# Altium PCB bg_pcb.PcbDoc (part 1 of 2)
Units mil, origin at the board's own origin, x right, y up, seen from the top; angles counter-clockwise.
Board outline 3622.05 x 3405.51 mil, 2 copper layers (Top Layer, Bottom Layer); 204 components, 130 nets, 584 pads, 560 vias.
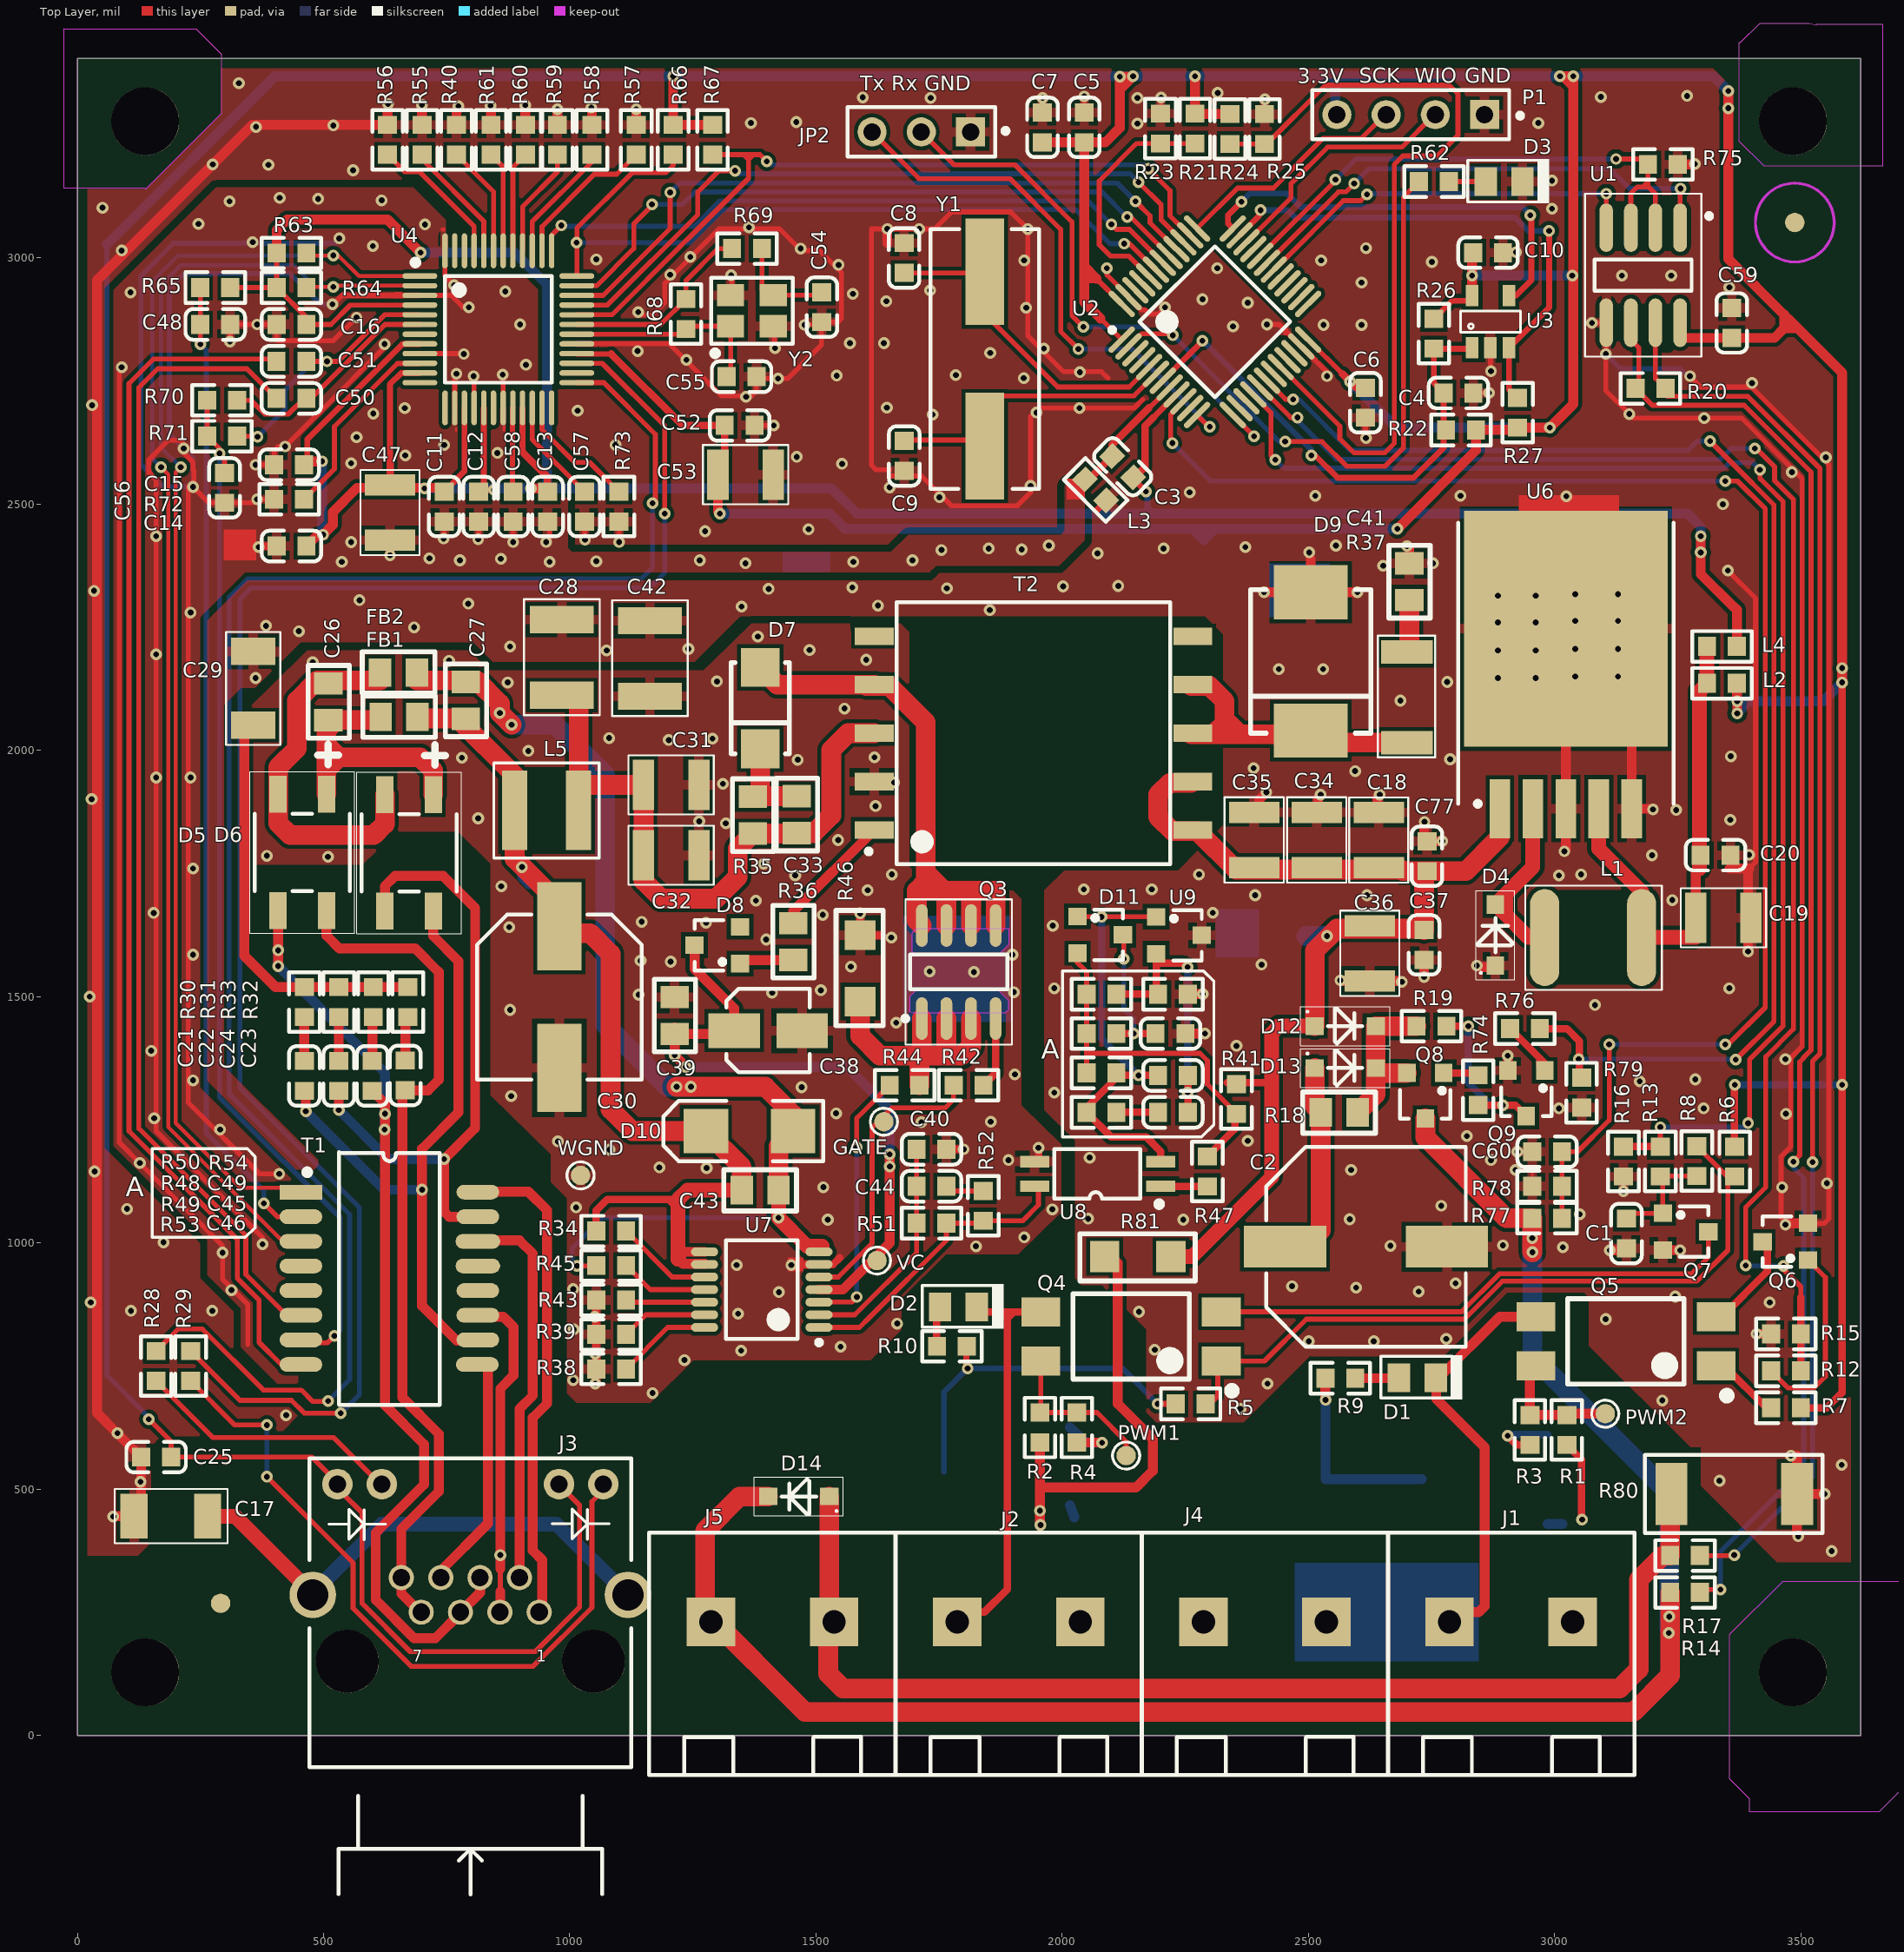
[diagram p0: Top Layer view]
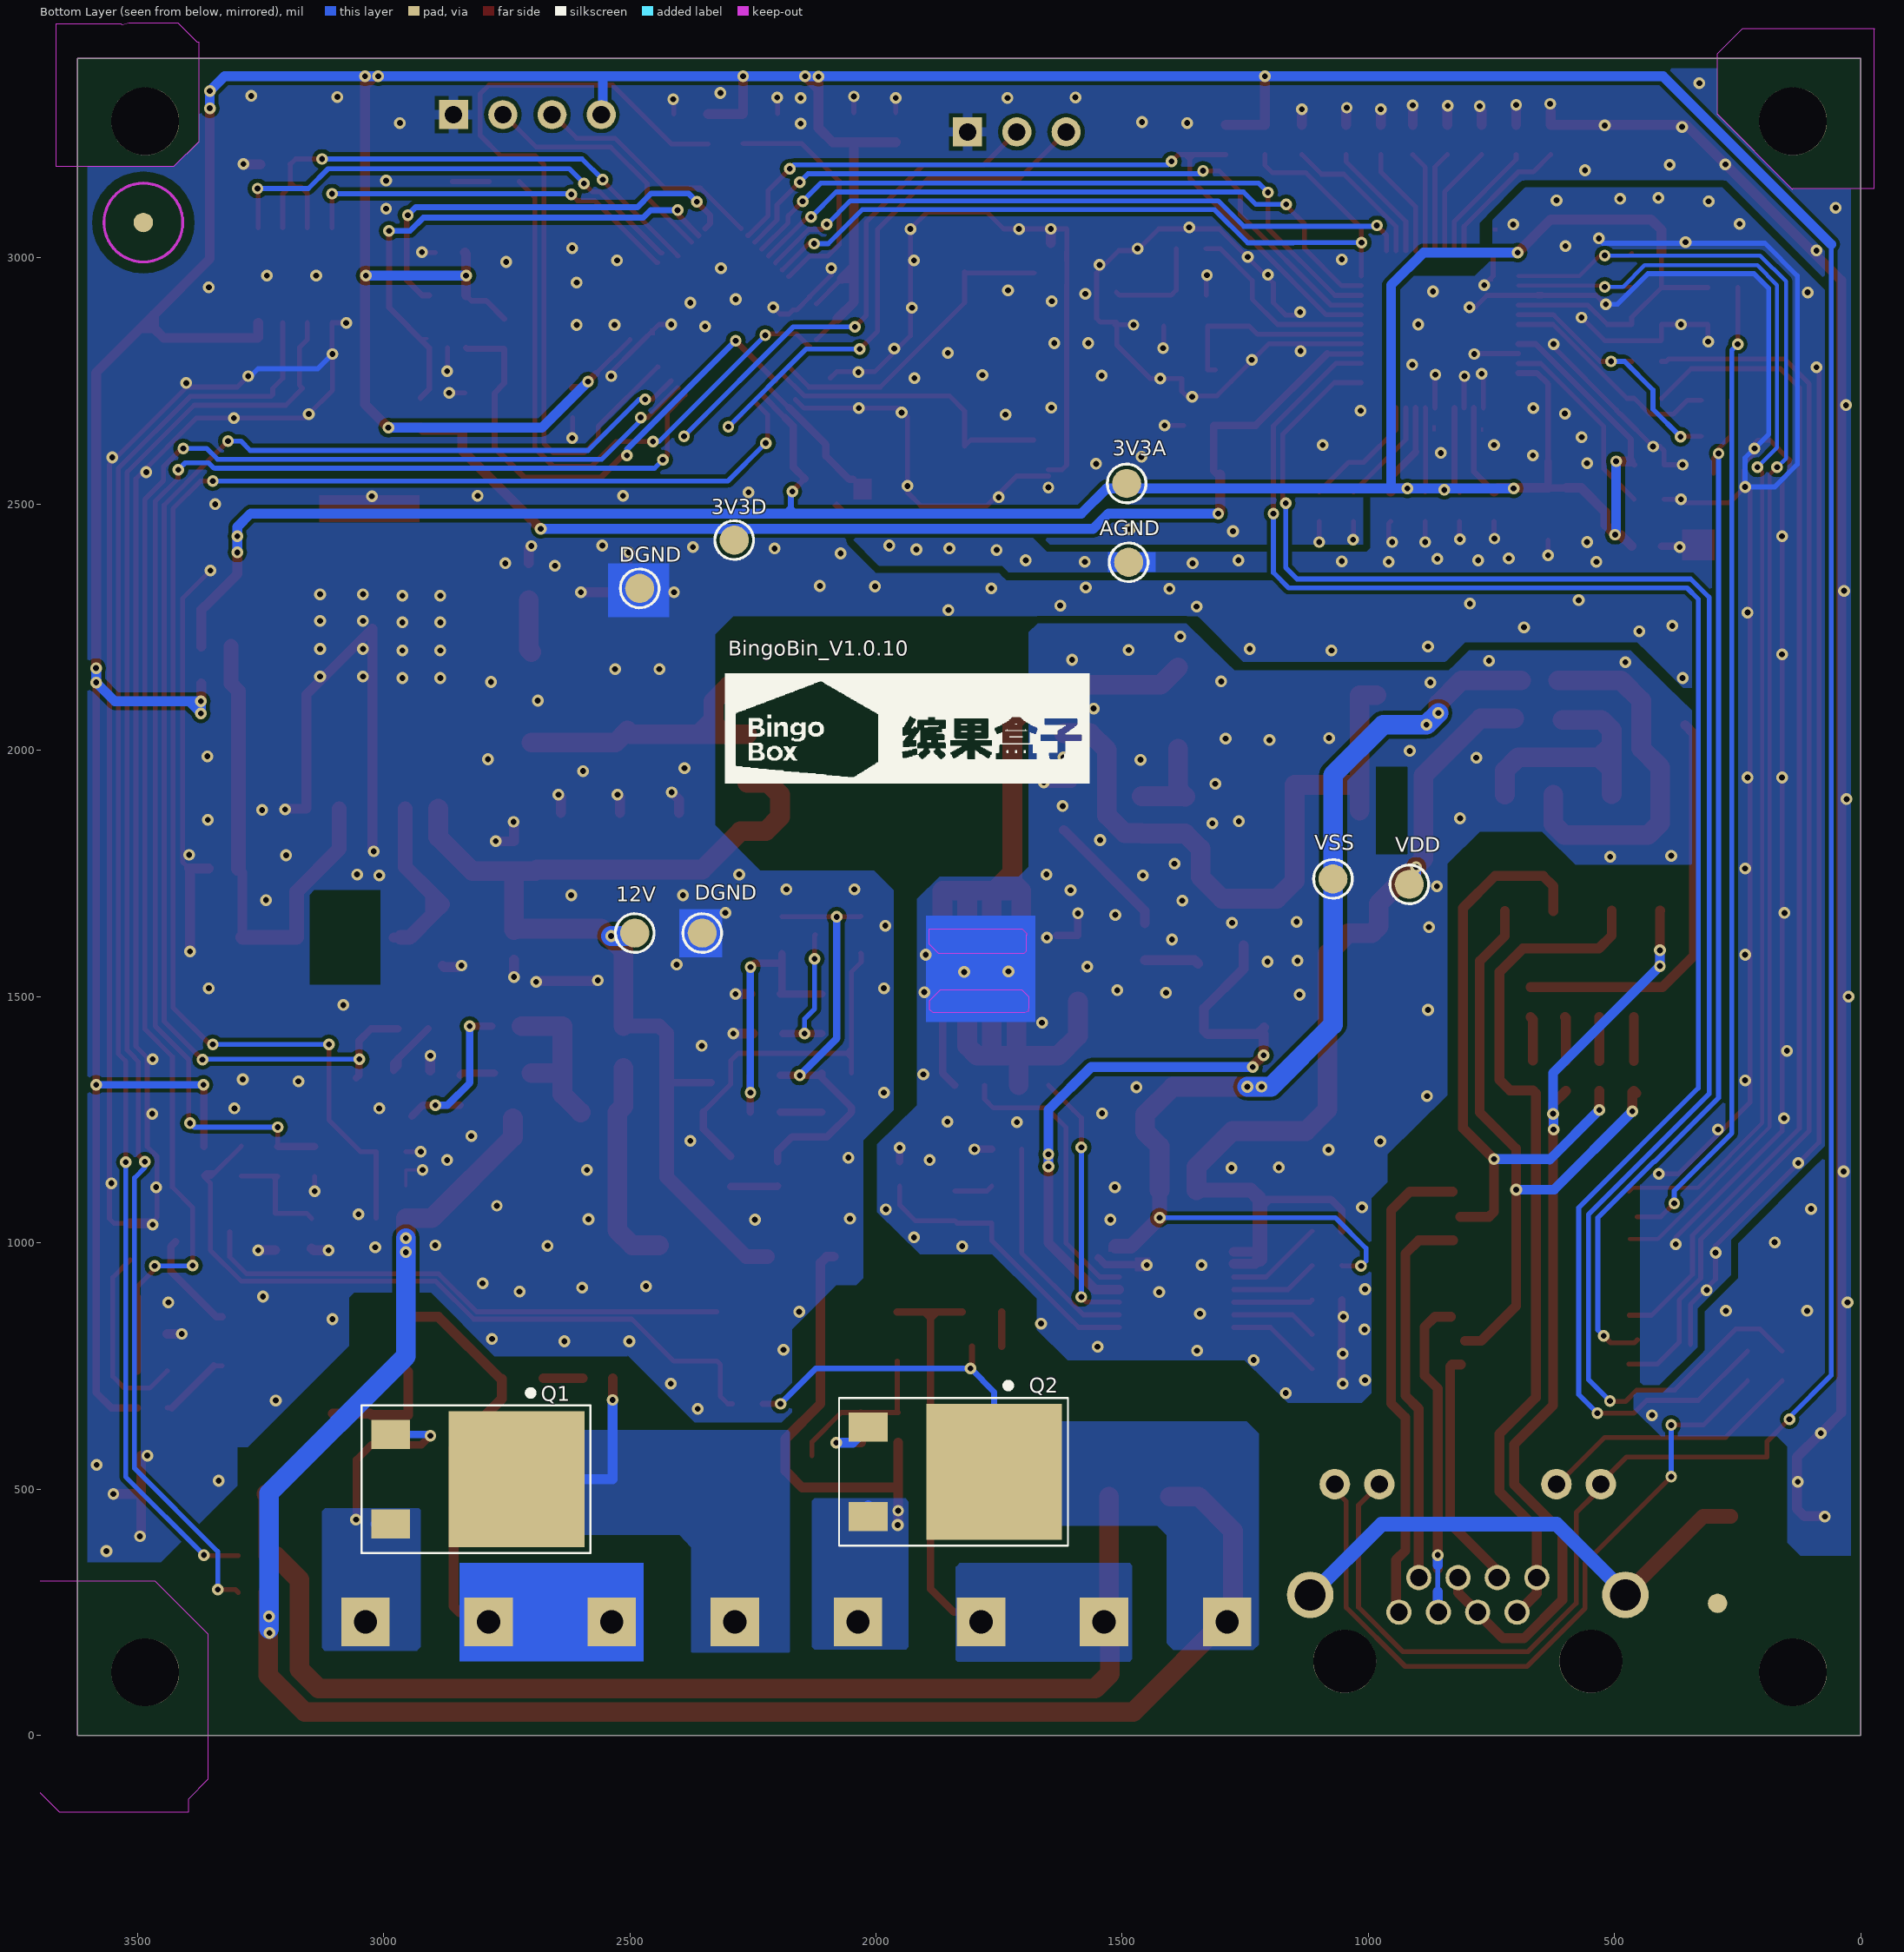
[diagram p1: Bottom Layer view, seen from below]
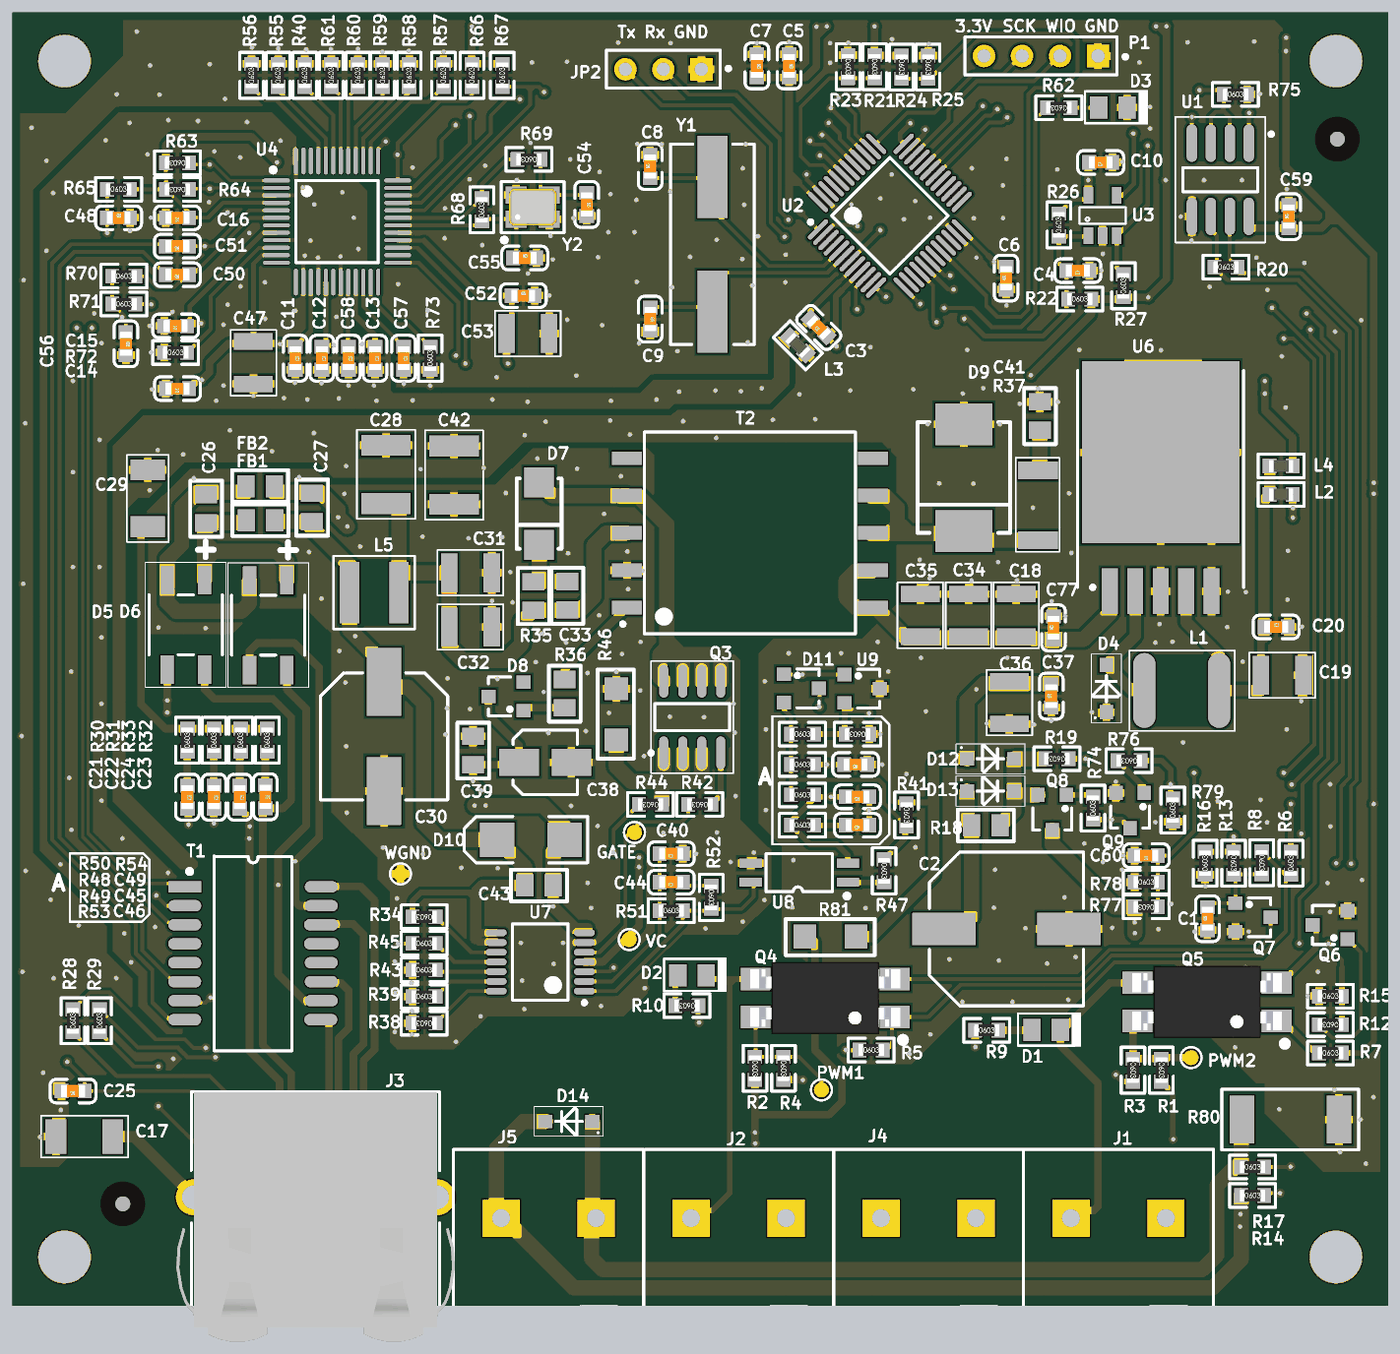
[diagram p3: 3D render of the assembled board from above, using the file's embedded part models]

## Layer stack, top to bottom
Top Solder: solder mask 0.4, Solder Resist, Dk 3.5
Top Layer: signal copper 1.4
Dielectric1: dielectric 12.6, FR-4, Dk 4.8
Bottom Layer: signal copper 1.4
Bottom Solder: solder mask 0.4, Solder Resist, Dk 3.5

## Board outline
0,0 3622.05,0 3622.05,3405.51 0,3405.51

## Design rules (kind name [scope] priority, off if disabled: settings)
Clearance Clearance_2 [InPolygon vs InPolygon] p1: gap=15
Clearance Clearance_1 [InPolygon vs OnLayer('Keep-Out Layer')] p2: gap=20
Clearance [All] p3: gap=8
DiffPairsRouting [All] p1: maxlimit=10 minlimit=5 mostfreqgap=10 toplayer_minwidth=15 toplayer_maxwidth=15 toplayer_prefwidth=15 bottomlayer_minwidth=15 bottomlayer_maxwidth=15 bottomlayer_prefwidth=15 maxuncoupledlength=500
HoleToHoleClearance [All] p1: gap=6 allowstackedmicrovias=TRUE
PlaneClearance [InNet('AGND')] p1: clearance=20
PlaneConnect [All] p1: planeconnectstyle=Relief reliefexpansion=20 reliefentries=4 reliefconductorwidth=20 reliefairgap=10
PolygonConnect PolygonConnect_1 [IsVia or InNet('VCC12V_LED_2')or InNet('NetD14_2')or InNet('NetJ4_1') or InNet('VCC12V_LED_1')] p1: connectstyle=Direct reliefconductorwidth=10 reliefentries=4 polygonreliefangle="90 Angle" airgapwidth=10
PolygonConnect [All] p2: connectstyle=Relief reliefconductorwidth=20 reliefentries=4 polygonreliefangle="90 Angle" airgapwidth=10
RoutingVias [All] p1: holewidth=11.81 width=23.62 viastyle="Through Hole" minholewidth=11.81 minwidth=23.62 maxholewidth=11.81 maxwidth=23.62
SilkToSilkClearance [All] p1: silktosilkclearance=0
SilkToSolderMaskClearance [IsPad] p1: minsilkscreentomaskgap=0 clearancetoexposedcopper=TRUE
SolderMaskExpansion [All] p1: expansion=4
UnConnectedPin [All] p1:
Width [All] p1: maxlimit=200 minlimit=6 preferedwidth=20 minimp=50.000000 maximp=50.000000 favimp=50.000000
24 further rules are at their usual default settings.

## Classes and differential pairs
net class PHY: RX_N RX_P TX_N TX_P
net class MX: BI_DA_N BI_DA_P
net class DIFF_RJ45: BI_DA_N BI_DA_P BI_DB_N BI_DB_P RX_N RX_P TX_N TX_P
component class bg_sensor: C1 C59 C60 D1 D2 D12 D13 D14 J1 J2 J4 J5 PWM1 PWM2 Q1 Q2 Q4 Q5 Q6 Q7 Q8 Q9 R1 R2 R3 R4 R5 R7 R8 R9 R12 R13 R14 R15 R16 R17 R18 R19 R20 R74 R75 R76 R77 R78 R79 R80 R81 TP_WM2 U1
component class bg_power: 3V3A 3V3D 12V AGND C17 C18 C19 C20 C21 C22 C23 C24 C25 C26 C27 C28 C29 C30 C31 C32 C33 C34 C35 C36 C37 C38 C39 C40 C41 C42 C43 C44 C45 C46 C49 C77 D4 D5 D6 D7 D8 D9 D10 D11 DGND FB1 FB2 GATE J3 L1 L2 L3 L4 L5 Q3 R28 R29 R30 R31 R32 R33 R34 R35 R36 R37 R38 R39 R41 R42 R43 R44 R45 R46 R47 R48 R49 R50 R51 R52 R53 R54 T1 T2 U6 U7 U8 U9 VC VDD VSS WGND
component class bg_MCU: C3 C4 C5 C6 C7 C8 C9 C10 C11 C12 C13 C14 C15 C16 C47 C48 C50 C51 C52 C53 C54 C55 C56 C57 C58 D3 JP2 P1 R21 R22 R23 R24 R25 R26 R27 R40 R55 R56 R57 R58 R59 R60 R61 R62 R63 R64 R65 R66 R67 R68 R69 R70 R71 R72 R73 U2 U3 U4 Y1 Y2
component class view: BingoBin_V1.0.10
differential pair TX: +TX_P -TX_N
differential pair RX: +RX_P -RX_N
differential pair BI_DB: +BI_DB_P -BI_DB_N
differential pair BI_DA: +BI_DA_P -BI_DA_N

## Components (designator, comment, footprint, x,y, rotation, side; value= is the part's Value field where it differs from the comment)
3V3A "?.0mm,SMD" TP_SMD_1_5mm 1491,2542 r90 bottom
3V3D "?.0mm,SMD" TP_SMD_1_5mm 2288,2427 r90 bottom
12V "?.0mm,SMD" TP_SMD_1_5mm 2490,1629 r90 bottom
AGND "?.0mm,SMD" TP_SMD_1_5mm 1487,2382 r90 bottom
BingoBin_V1.0.10 "BingoBin_V1.0.10" bingo_logo 2308,1934 r180 bottom
C1 "1uF" C0603 3146,1019 r90 top
C2 "470uF/16V" C10*10.5mm 2617,992 r0 top
C3 "0.1uF" C0603 2123,2576 r135 top
C4 "0.1uF" C0603 2805,2725.75 r180 top
C5 "0.1uF" C0603 2045,3265 r270 top
C6 "0.1uF" C0603 2616,2706 r90 top
C7 "0.1uF" C0603 1960,3265 r270 top
C8 "22pF" C0603 1679,3000 r90 top
C9 "22pF" C0603 1679.29,2597.99 r270 top
C10 "0.1uF" C0603 2865,3010.75 r180 top
C11 "0.1uF" C0603 745,2495 r270 top
C12 "0.1uF" C0603 815,2495 r270 top
C13 "0.1uF" C0603 955,2495 r270 top
C14 "0.1uF" C0603 435,2415 r180 top
C15 "0.1uF" C0603 430,2580 r180 top
C16 "0.1uF" C0603 435,2865 r180 top
C17 "1000pF/2KV" 1808 115,445 r0 top
C18 "22uF/16V" C1210 2643,1815 r90 top
C19 "22uF/16V" C1210 3340,1660 r0 top
C20 "0.1uF" C0603 3327.01,1787.29 r0 top
C21 "0.1uF" C0603 461,1339 r270 top
C22 "0.1uF" C0603 531,1339 r270 top
C23 "0.1uF" C0603 666,1340 r270 top
C24 "0.1uF" C0603 599,1339 r270 top
C25 "0.1uF" C0603 160,565 r180 top
C26 "1000pF/100V" 0805 510,2136 r270 top
C27 "1000pF/100V" 0805 789,2139 r270 top
C28 "2200pF/2KV" 1812 984,2112 r90 top
C29 "1000pF/2KV" 1808 357,2201 r270 top
C30 "22uF/100V" C8*10.2MM 979,1499 r270 top
C31 "2.2uF/100V" C1210 1209,1930 r180 top
C32 "2.2uF/100V" C1210 1209,1787 r180 top
C33 "0.1uF/100V" 0805 1461,1907 r270 top
C34 "22uF/16V" C1210 2517,1821 r270 top
C35 "22uF/16V" C1210 2390,1821 r270 top
C36 "22uF/16V" C1210 2625,1585 r90 top
C37 "1uF" C0603 2735,1605 r90 top
C38 "10uF/25V" C4*5.8 1403,1431 r0 top
C39 "0.22uF" 0805 1213,1499 r270 top
C40 "0.1uF" C0603 1734.68,1190 r180 top
C41 "680pF" 0805 2705,2380 r270 top
C42 "2200pF/2KV" 1812 1163,2110 r90 top
C43 "0.1uF/100V" 0805 1424,1107 r180 top
C44 "0.033uF" C0603 1734.68,1115 r180 top
C45 "100pF" C0603 2225,1340 r180 top
C46 "0.01uF" C0603 2225,1265 r180 top
C47 "22uF/16V" C1210 635,2480 r90 top
C48 "22nF" C0603 280,2865 r0 top
C49 "1uF" C0603 2220,1425 r180 top
C50 "6.8nF" C0603 434.69,2715 r180 top
C51 "6.8nF" C0603 434.69,2790 r180 top
C52 "0.1uF" C0603 1345,2660 r0 top
C53 "22uF/16V" C1210 1360,2560 r180 top
C54 "18pF" C0603 1512,2900 r270 top
C55 "18pF" C0603 1349,2759 r0 top
C56 "0.01uF" C0603 299,2533 r270 top
C57 "0.01uF" C0603 1030,2495 r270 top
C58 "4.7uF" C0603 885,2495 r270 top
C59 "0.1uF" C0603 3360,2868 r90 top
C60 "0.01uF" C0603 2985,1185 r180 top
C77 "0.1uF" C0603 2741,1785 r90 top
D1 "GLED" LED-0805 2684,726 r180 top
D2 "GLED" LED-0805 1752,870 r180 top
D3 "GLED" LED-0805 2860,3155 r180 top
D4 "1N5819" SOD123 2880,1625 r90 top
D5 "HD01" HD01 506,1911 r270 top
D6 "HD01" HD01 723,1910 r270 top
D7 "MURA120" SMA 1442,1992 r90 top
D8 "BAS16" SOT-23 1346,1567 r90 top
D9 "B360" SMC 2630,2040 r90 top
D10 "SMAJ58A" SMB 1365,1227 r180 top
D11 "BAT54S" SOT-23 2031,1663 r270 top
D12 "1N5819" SOD123 2575,1440 r0 top
D13 "1N5819" SOD123 2575,1355 r0 top
D14 "1N5819" SOD123 1465,485 r180 top
DGND "?.0mm,SMD" TP_SMD_1_5mm 2353,1629 r90 bottom
DGND "Comment" TP_SMD_1_5mm 2480,2329 r180 bottom
FB1 "220" 0805 616,2068 r0 top
FB2 "220" 0805 615,2158 r0 top
GATE "?.0mm,SMD" TP_SMD_1mm 1638,1246 r90 top
J1 "36-57VDC RTN" MKDS_5_6.35 2911.81,230.32 r0 top
J2 "36-57VDC RTN" MKDS_5_6.35 1911.81,230.32 r0 top
J3 "2-406549-1" RJ45LED 798.19,330 r270 top
J4 "36-57VDC RTN" MKDS_5_6.35 2411.81,230.32 r0 top
J5 "36-57VDC RTN" MKDS_5_6.35 1411.81,230.32 r0 top
JP2 "UART" HDR1X3 1814,3256 r180 top
L1 "30uH" L-7.5S 2980,1620 r0 top
L2 "#NAME?" L0603 3340,2136.1 r0 top
L3 "#NAME?" L0603 2068,2529 r135 top
L4 "#NAME?" L0603 3340,2211.1 r0 top
L5 "10uH" L4*4MM 890.06,1878 r0 top
P1 "SWD" HDR1X4 2858,3291 r180 top
PWM1 "?.0mm,SMD" TP_SMD_1mm 2130,568 r90 top
PWM2 "?.0mm,SMD" TP_SMD_1mm 3103,653 r90 top
Q1 "AOD4185" TO252 2730,520 r270 bottom
Q2 "AOD4185" TO252 1760,535 r270 bottom
Q3 "FDS2582" SO8 1790,1550 r90 top
Q4 "EL817S(B)" LC_SMD-4 2140,810 r180 top
Q5 "EL817S(B)" LC_SMD-4 3145,800 r180 top
Q6 "CJ3400" SOT-23 3515,965 r90 top
Q7 "CJ3400" SOT-23 3220,1060 r270 top
Q8 "CJ3401" SOT-23 2775,1345 r180 top
Q9 "CJ3400" SOT-23 2980,1350 r180 top
R1 "5.1k" R0603 3025,620 r270 top
R2 "5.1k" R0603 1955,625 r270 top
R3 "10k" R0603 2950,620 r270 top
R4 "10k" R0603 2030,625 r270 top
R5 "0R" R0603 2261,673 r0 top
R6 "1k" R0603 3366,1165 r90 top
R7 "1k" R0603 3470,665 r0 top
R8 "0R" R0603 3289,1166 r270 top
R9 "5.1K" R0603 2565,725 r0 top
R10 "5.1K" R0603 1776,790 r180 top
R12 "10k" R0603 3470,740 r180 top
R13 "10k" R0603 3215,1165 r270 top
R14 "0R" R0603 3265,290 r0 top
R15 "10k" R0603 3470,815 r0 top
R16 "10k" R0603 3140,1165 r90 top
R17 "0R" R0603 3265,365 r0 top
R18 "2.2K" 0805 2600,1265 r180 top
R19 "10k" R0603 2750,1440 r180 top
R20 "120R" R0603 3195,2735 r0 top
R21 "10K" R0603 2269.9,3262.75 r270 top
R22 "10K" R0603 2810,2650.75 r0 top
R23 "10k" R0603 2199.9,3262.75 r270 top
R24 "10K" R0603 2340.9,3261.75 r270 top
R25 "10k" R0603 2410.9,3261.75 r270 top
R26 "10K" R0603 2755,2846.07 r90 top
R27 "10K" R0603 2925,2685.75 r90 top
R28 "330R" R0603 160,750 r90 top
R29 "330R" R0603 230,750 r90 top
R30 "75R" R0603 461,1489 r90 top
R31 "75R" R0603 531,1489 r90 top
R32 "75R" R0603 671,1489 r90 top
R33 "75R" R0603 601,1489 r90 top
R34 "24.9K" R0603 1084.25,1023.9 r180 top
R35 "39K/0.1W" 0805 1372,1906 r270 top
R36 "10R/0.1W" 0805 1454,1649 r270 top
R37 "20R/0.5W" 2010 2700,2200 r270 top
R38 "59K" R0603 1084.25,743.9 r180 top
R39 "80.6K" R0603 1084.25,813.9 r0 top
R40 "10K" R0603 770,3240 r90 top
R41 "0R" R0603 2354,1292 r270 top
R42 "10R" R0603 1810,1320 r180 top
R43 "39.2K" R0603 1084.25,883.9 r0 top
R44 "1K" R0603 1680,1320 r180 top
R45 "90.9Ω" R0603 1084.25,953.9 r0 top
R46 "0.39R/0.5W" 1206 1590,1490 r90 top
R47 "2K" R0603 2295,1145 r270 top
R48 "10K" R0603 2080,1425 r0 top
R49 "4.99K" R0603 2080,1345 r0 top
R50 "44.2K" R0603 2080,1505 r0 top
R51 "2K" R0603 1734.68,1040 r0 top
R52 "1.5K" R0603 1839.68,1075 r270 top
R53 "10K" R0603 2080,1265 r0 top
R54 "11.5K" R0603 2225,1505 r180 top
R55 "10K" R0603 700,3240 r90 top
R56 "10K" R0603 630,3240 r90 top
R57 "10K" R0603 1135,3240 r90 top
R58 "10K" R0603 1045,3240 r90 top
R59 "10K" R0603 975,3240 r90 top
R60 "10K" R0603 910,3240 r90 top
R61 "10K" R0603 840,3240 r90 top
R62 "1K" R0603 2755,3155 r180 top
R63 "49R9" R0603 435,3010 r180 top
R64 "49R9" R0603 435,2940 r180 top
R65 "10R" R0603 280,2940 r0 top
R66 "10K" R0603 1210,3240 r90 top
R67 "10K" R0603 1290,3240 r90 top
R68 "1M" R0603 1236,2886 r90 top
R69 "0R" R0603 1360,3019 r180 top
R70 "82R 1%" R0603 294,2711 r0 top
R71 "82R 1%" R0603 294,2638 r0 top
R72 "12.4K 1%" R0603 430,2510 r0 top
R73 "10K" R0603 1100,2495 r90 top
R74 "10k" R0603 2845,1310 r90 top
R75 "10K" R0603 3220,3190 r0 top
R76 "10k" R0603 2940,1435 r180 top
R77 "10M" R0603 2985,1050 r180 top
R78 "1.5M" R0603 2985,1115 r0 top
R79 "10k" R0603 3055,1305 r90 top
R80 "0R/1W" 2512 3365,490 r0 top
R81 "0R/0.5W" 1206 2221,972 r180 top
T1 "H2019" H1102NL 454,1103 r0 top
T2 "POE13P-12L" POE13P-12L 1942,2035 r0 top
U1 "SP3485" SOIC8 3180,2965 r270 top
U2 "stm32f030c8" LQFP48 2310,2870 r45 top
U3 "STWD100NYWY3F" SOT23-5 2870,2870.75 r0 top
U4 "W5500" W5500-LQFP-48_7X7X05P 855,2855 r270 top
U6 "LM2575-3V3" TO-263-5 3230,2450 r180 top
U7 "TPS23753APW" TPS23753A 1390,905 r180 top
U8 "TCMT1107" SSOP4 2200,1115 r180 top
U9 "TL431ACDBVR" SOT-23 2191,1662 r270 top
VC "?.0mm,SMD" TP_SMD_1mm 1624,964 r0 top
VDD "?.0mm,SMD" TP_SMD_1_5mm 917,1728 r90 bottom
VSS "?.0mm,SMD" TP_SMD_1_5mm 1072,1739 r90 bottom
WGND "?.0mm,SMD" TP_SMD_1mm 1022,1137 r90 top
Y1 "CRYSTAL_8MHz" 8M_SMD_CRYSTAL 1843,2795 r270 top
Y2 "25Mhz" 25MHZ-SMD-3225_4P 1370,2893 r0 top
